# KiCad board AMC_FMC_Carrier-PcbDoc.kicad_pcb (continued)
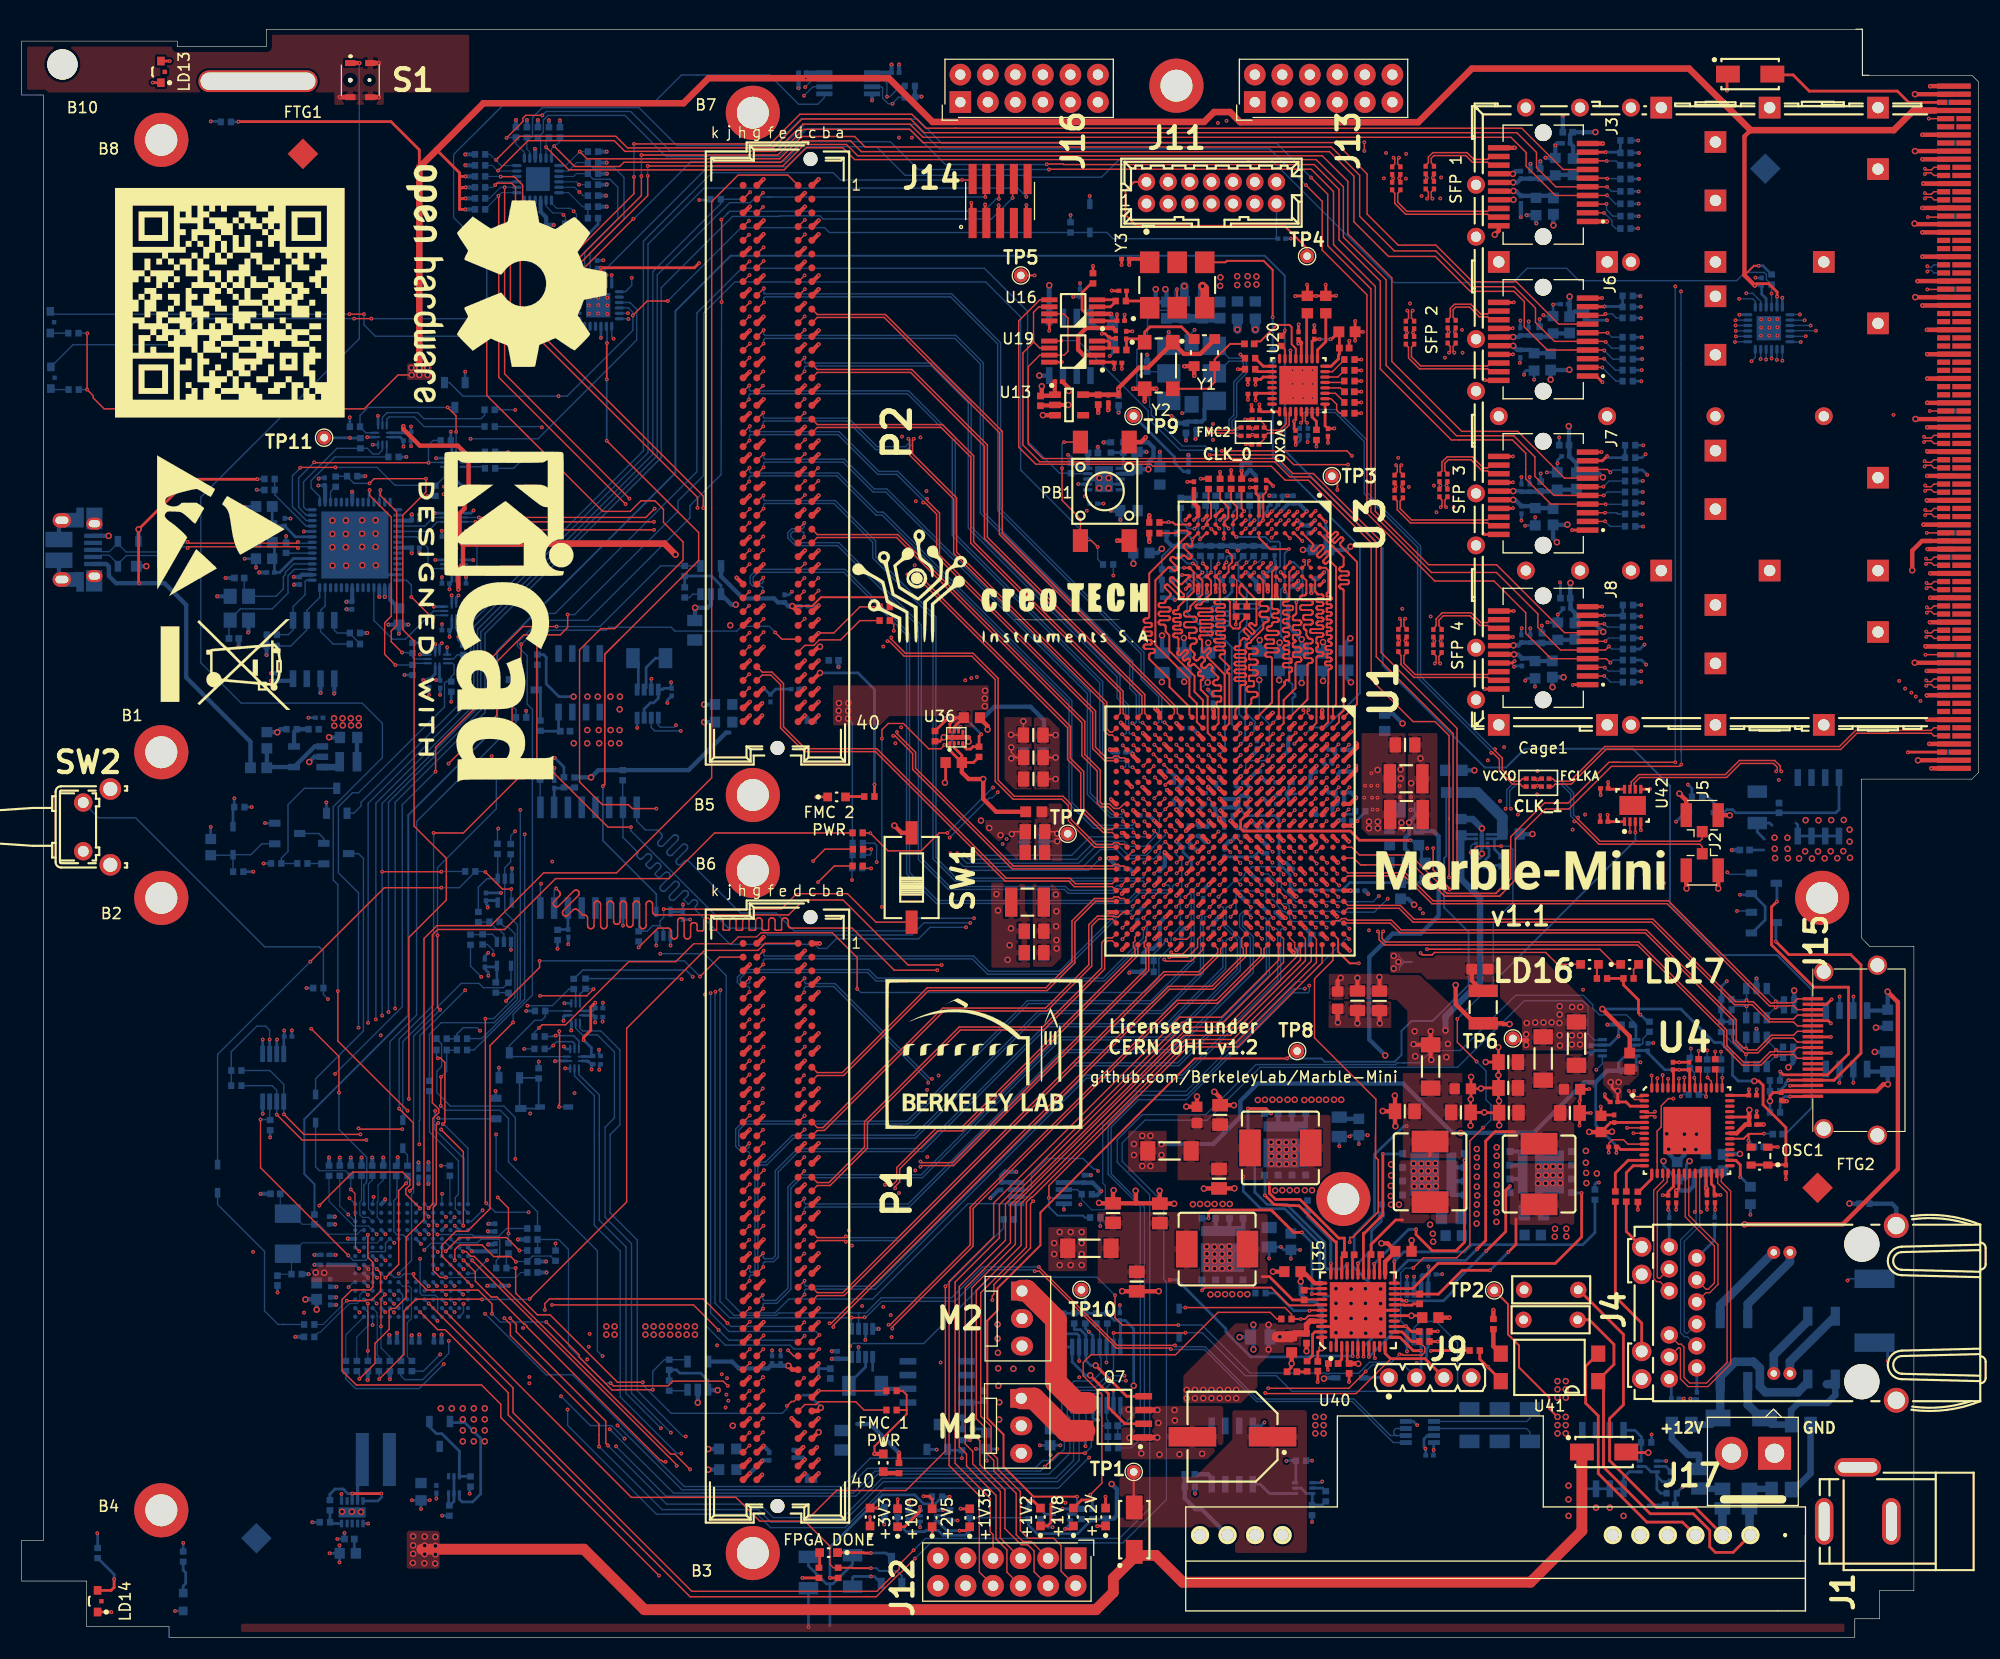
[diagram p0: board, top side]
## Routing (per net, layer and track width the routed paths; a pad name or vN(x,y) marks a point on that pad's centre or on a via; arc(x,y) is an arc through that point) (continued)
  Top w0.4: v1(175.72,91.53) 175.75,91.5 P3.70 ; v1(175.87,118.5) 175.88,118.5 P3.34 ; v2(153.67,69.15) 153.64,69.18 J2.2 ; v2(108.48,49.95) C347.2 107.5,49 v2(107.49,49.01) ; P3.49 178.35,107.25 v1(175.87,107.25) ; C152.2 102.84,40.08 ; C152.2 100.74,41.24 v2(100.79,41.29) ; C152.2 99.48,40.08 v2(99.44,40.12) ; 102.84,40.08 102.84,41.21 v2(102.82,41.24) ; 102.84,40.08 105.03,40.08 C346.2 ; v1(176.07,82.51) 176.09,82.5 P3.82 ; v1(32.97,142.23) 32.97,142.23 S1.4 ; J5.2 153.64,77.28 v2(153.01,77.91) ; v1(146.33,130.75) 146.32,130.75 J3.1 ; v1(175.84,120.74) 178.34,120.74 P3.31 ; C137.2 v2(118.59,26.43) ; v1(175.87,116.24) 178.34,116.24 P3.37 ; v1(174.98,125.23) 174.99,125.25 P3.25 ; P3.79 178.35,84.75 v1(175.87,84.75) ; v2(89.15,83.83) 89.15,84.15 88.43,84.87 ; v1(176.12,93.74) 178.34,93.74 P3.67 ; v2(111.94,41.47) 111.93,41.45 C194.2 109.13,41.45 v2(109.12,41.44) ; P3.52 175.85,105 v1(175.84,104.99) ; J2.2 156.59,69.15 v2(156.59,69.15) ; v2(125.63,48.6) 125.65,48.58 C156.2 ; C105.2 v2(117.22,25.29) ; v2(126.75,50.02) 126.76,50.01 C156.2 ; v1(176.25,80.25) 178.35,80.25 P3.85 ; v1(137.79,137.55) 137.79,137.55 J3.11 ; C144.2 v2(115.49,33.77) ; v1(176.15,96) 176.15,96 P3.64 ; P3.13 175.52,134.25 v1(175.51,134.25) ; v1(162.91,49.52) 162.5,49.52 C37.2 ; v1(175.87,114.01) 175.88,114 P3.40 ; U1.V1 105.03,85.35 v1(104.62,85.76) ; U1.B19 121.03,66.94 v1(121.41,66.56) ; v1(176.15,98.26) 178.34,98.26 P3.61 ; 128.93,75.98 C266.2 129.31,76.54 ; v2(135.97,129.53) 136.34,129.9 J3.20 ; P3.73 178.34,89.24 v1(175.84,89.24) ; C156.2 126.76,47.24 v2(126.8,47.21) ; v2(110.08,50.38) 110.62,49.85 C154.2 111.88,49.15 v2(111.89,49.14) ; P3.58 178.35,100.49 v1(175.92,100.49) ; S1.3 29.36,142.23 v1(29.36,142.23) ; v1(145.95,137.93) 145.93,137.95 J3.10 ; v2(128.29,36.66) 128.28,36.65 C361.2 ; v1(175.44,123) 175.44,123 P3.28 ; v1(131.77,29.53) 131.77,29.52 C127.2 ; v1(175.87,109.54) 175.91,109.5 P3.46 ; P3.22 175.44,127.5 v1(175.44,127.49) ; v1(101.1,101.26) 101.13,101.28 PB1.4 ; v1(175.84,86.98) 175.86,87 P3.76 ; v2(137.69,132.75) 137.69,132.75 J3.17 ; U1.E7 118.04,78.96 v1(118.44,79.36) ; P3.10 175.45,136.5 v1(175.44,136.51) ; J5.2 157.64,75.93 v2(157.66,75.91) ; v1(175.54,102.76) 175.55,102.75 P3.55 ; C346.2 106.36,40.05 v2(106.37,40.04) ; C346.2 105.05,41.21 v2(105.03,41.24) ; v2(104.95,31.97) 104.94,31.95 C160.2 101.58,31.95 v2(101.57,31.97) ; v2(80.54,74.97) 81.22,74.29 SW1.2 ; v2(85.11,83.12) 85.12,83.11 U36.9 87.39,83.11 87.4,83.1 v2(87.4,82.71) ; v1(176.15,143.24) 176.15,143.25 P3.1 ; v1(32.97,145.38) 32.97,145.38 S1.2 ; R26.1 v1(104.08,103.61) ; v1(175.44,129.76) 175.45,129.75 P3.19 ; v1(115.85,95.97) 115.79,96.03 U3.F9 ; v1(135.84,30.24) R281.2 ; P3.16 175.44,132 v1(175.44,131.99) ; v1(119.46,73.54) 119.46,73.39 U1.D13 ; PB1.3 103.32,110.38 103.74,110.79 v1(103.74,110.83) ; v2(132.36,60.24) 132.36,58.47 134.12,56.7 C2.2 136.65,56.7 136.73,56.63 v2(137.34,56.63) ; v1(175.87,111.75) P3.43 ; 160.14,47.36 v1(160.78,47.36) ; LD1.1 v1(78.71,16.94) ; P3.7 v1(175.44,138.75)
  Top w0.402: v1(108.23,116.5) 108.22,116.51 Y1.3 107.32,117.39 v1(107.31,117.39) ; Y2.2 102.59,115.3 v1(102.59,115.3) ; Y2.2 104.72,115.3 v1(104.72,115.3) ; Y2.2 103.65,114.14 v1(103.66,114.13) ; v1(100.28,113.32) 100.3,113.35 C91.2 ; C81.2 v1(99.36,113.07)
  Top w0.5: Q7.3 104.84,20.99 104.85,20.98 ; 102.29,18.45 Q7.1 104.84,18.45 104.85,18.44
  Top w0.802: v2(108.99,124.78) 109.19,124.57 109.19,122.78
  Bottom w0.127: 90.35,74.3 v2(90.35,74.08) ; 77.02,4.68 R243.1 76.81,4.68 ; 89.31,74.74 v2(89.31,74.74)
  Bottom w0.13: R284.2 76.64,72.2 R285.2 76.64,69.95 v1(76.63,69.94)
  Bottom w0.15: v2(128.05,75.24) 128.04,75.23 128.04,75.09
  Bottom w0.178: C375.2 162.08,45.3 v1(162.1,45.28)
  Bottom w0.254: U2.F3 32.39,33.61 v1(32.79,33.21) ; v1(33.58,34.81) 33.19,35.2 U2.H4 ; U2.H3 32.39,35.19 v1(32.74,34.84) ; U2.P4 33.21,40.01 ; U2.L13 40.39,37.6 ; v1(37.57,37.22) 37.19,37.6 U2.L9 ; v1(36.78,37.22) 36.4,37.61 U2.L8 ; v1(39.17,30.82) 38.79,31.2 U2.C11 ; U2.D13 40.4,32.01 v1(40.74,31.66) ; U2.G13 40.39,34.4 v1(40.79,34) ; v1(38.38,29.22) 38,29.61 U2.A10 ; 39.98,38.01 40.36,37.63 ; v1(33.55,30.04) 33.19,30.4 U2.B4 ; v1(38.79,91.81) 38.57,91.59 U24.2 ; 38.62,87.71 v1(38.62,87.03) ; C178.2 v1(37.6,87.03) ; R84.1 149.62,103.73 v1(149.63,103.72) ; v1(150.6,54.88) 150.19,54.88 ; U9.3 50.25,54.33 50.04,54.55 v1(50.04,54.56) ; v1(68.48,87.67) 69.07,87.08 C11.2 69.6,87.57 C8.2 ; 118.69,110.98 v1(118.69,110.38) ; R181.2 119.1,10.66 v1(119.1,10.66) ; v1(56.82,83.98) 56.81,83.99 U32.8 ; v1(114.58,98.36) 115.06,98.36 115.72,99.02 115.72,99.41 115.65,99.49 C366.1 ; v1(29.51,13.25) 29.52,13.24 U18.6 ; v1(21.69,105.98) 21.72,105.96 R116.2 ; U25.1 39.7,96.2 v1(39.69,96.21) ; v1(22.25,48.35) 22.24,48.36 U28.4 ; U12.3 167.79,51.22 v1(167.78,51.21) ; v1(35.94,111.81) 35.93,111.8 C186.2 ; v1(90.04,17.4) 90.04,17.4 C344.2 ; v1(162.51,123.71) 162.51,123.7 U34.24 ; v1(89.08,16.32) 89.05,16.34 C344.2 ; v1(153.3,13.88) 152.77,13.35 R104.2 152.62,13.16 C128.2 ; C98.2 138.42,93.14 v1(138.45,93.18) ; R69.2 149.39,123.88 v1(149.4,123.86) ; R170.2 154.16,78.38 v1(153.8,78.75) ; C380.2 129.6,17.41 v1(129.56,17.44) 129.44,17.56 129.44,18.33 129.75,18.64 U43.3 ; v1(49.18,80.28) 49.16,80.26 C38.2 ; C159.2 v1(117.14,34.96) ; C159.2 116.5,35.79 v1(116.23,36.05) 116.22,36.04 C151.2 v1(115.14,34.99) ; C159.2 118,35.79 v1(118.01,35.78) ; U39.24 54.46,125.79 v1(54.46,125.79) ; 73.56,24.87 v1(73.56,25.31) ; 73.56,24.87 73.62,24.81 C61.2 ; 73.56,24.87 v1(73.56,24.04) ; v1(40.12,100.58) 40.1,100.57 U15.2 ; v1(95.87,17.73) 95.87,17.73 C343.2 ; v1(36.02,12.66) 36.03,12.65 C132.2 ; C89.2 v1(138.43,103.14) ; U12.6 167.79,59.17 v1(167.8,59.18) ; v1(95.83,10.85) 95.81,10.87 95.14,10.87 ; C77.2 138.33,117.71 138.31,117.69 v1(138.28,117.69) ; v1(138.78,88.35) 138.78,88.41 138.93,88.56 C99.1 139.69,87.81 v1(139.67,87.79) ; C88.2 v1(138.43,107.15) ; Q17.2 44.06,52.6 v1(44.04,52.62) ; C94.2 142.26,94.93 v1(141.78,94.45) C96.1 140.84,93.71 v1(140.82,93.74) ; U11.1 59.88,63.9 v1(59.89,63.89) ; v1(140.31,93.43) 140.32,93.42 C97.2 ; R77.2 149.67,110.08 v1(149.68,110.07) ; U28.5 22.24,55.2 v1(22.25,55.21) ; C70.2 141.39,123.11 v1(141.35,123.08) C72.1 140.55,122.01 v1(140.45,122.1) ; C39.2 50.46,64.02 v1(50.44,64.01) ; C65.2 70.05,26.5 v1(70.03,26.53) ; v1(98.58,133.11) 98.59,133.1 D15.2 ; v1(71.09,96.56) 70.81,96.27 C10.2 ; C129.2 v1(28.42,7.76) ; C129.2 29.35,8.48 v1(29.34,8.5) ; C129.2 29.35,6.93 v1(29.34,6.92) ; R188.2 87.53,18.21 v1(87.53,18.21) ; C76.2 v1(139.09,121.53) ; R212.2 119.1,16.32 v1(119.1,16.32) ; 53.47,53.68 53.29,53.86 v1(53.29,54.27) ; v1(38.95,105.56) 38.96,105.57 C182.2 ; v1(77.24,26.81) 77.25,26.8 U17.3 ; v1(38.8,93.56) 38.79,93.55 C180.2 ; v1(23.61,31.85) C93.2 ; C360.2 v1(17.45,74.84) ; v1(144.36,53.99) 144.37,53.99 145.01,53.99 145.21,54.19 145.87,54.19 ; R171.2 38.82,11.23 v1(38.81,11.24) ; v1(20.57,99.61) C167.2 v1(21.63,98.79) ; v1(158.55,122.14) 158.55,122.14 U34.18 ; v1(124.23,46.37) 124.22,46.38 C161.2 ; C74.2 v1(138.33,121.6) ; v1(29.79,9.64) 29.8,9.63 C130.2 v1(29.13,9.08) ; v1(28.12,77.1) 28.13,77.09 Q24.2 ; v1(99.36,20.07) 99.06,20.07 98.87,20.27 U27.13 ; v1(152.7,75.32) 152.7,75.32 153.54,76.16 D9.2 ; 41.01,93 41.01,93.58 v1(41.02,93.59) ; v1(85.05,11.76) 85.03,11.74 84.5,11.74 ; v1(84.45,17.34) 84.44,17.35 Q8.2 ; U25.2 40.1,96 v1(40.32,96.21) ; v1(53.62,56.86) 53.64,56.88 C212.2 ; v1(94.97,16.84) 94.93,16.88 C343.2 ; R201.2 46.57,85.55 v1(46.56,85.56) ; v1(40.39,104.85) 40.11,104.58 40.11,104.13 U38.2 ; C95.2 142.03,97.38 v1(141.99,97.42) ; 41.35,13.92 v1(41.35,13.27) ; C192.1 131.09,33.51 v1(131.11,33.54) ; U12.2 v1(169.06,51.22) ; v1(82.92,10.16) 82.92,10.16 82.92,10.74 ; v1(88.07,17.41) 88.09,17.4 C344.2 ; U38.3 41.46,103.82 v1(41.71,104.06) ; R108.2 150.44,18.03 v1(150.44,18.73) ; U32.3 58.11,88.5 v1(58.13,88.52) ; U7.3 45.24,70.98 v1(45.26,71.01) ; v1(31.98,10.5) 31.97,10.51 U18.1 ; U38.10 38.13,103.82 v1(38.12,103.81) ; v1(100.43,118.33) 100.68,118.58 C106.2 ; v1(149.48,95.34) 149.47,95.33 R86.2 ; C343.2 93.98,17.73 v1(93.98,17.73) ; v1(53.31,52.41) 53.31,52.84 53.42,52.95 ; C213.2 53.64,58.6 v1(53.64,58.61) ; U31.11 100.36,106.49 U31.4 ; U9.1 49.25,53.23 v1(49.22,53.2) ; U10.3 45.16,63.49 v1(45.16,63.49) ; 118.03,110.98 118.03,110.56 v1(117.59,110.12) ; v1(38.77,102.18) 38.79,102.17 C184.2 ; C101.2 137.83,89.71 v1(137.74,89.62) ; v1(139.6,116.14) C75.1 138.84,116.98 138.67,116.81 v1(138.67,116.59) ; U12.7 169.06,59.17 v1(169.07,59.18) ; v1(53.69,127.16) 53.67,127.14 C342.2 ; v1(41.68,99.49) 41.67,99.5 U15.3 ; C100.2 v1(139.24,93.18) ; v1(128.52,33.31) 128.51,33.3 U29.6 ; v1(43.74,50.46) 43.77,50.43 Q5.2 ; C132.2 v1(36.85,11.85) ; C132.2 37.65,12.65 v1(37.67,12.66) ; v1(117.14,129.17) 117.13,129.16 C193.2 ; C190.2 101.36,30.67 v1(101.37,30.68) ; v1(160.02,125.56) 160.05,125.53 C215.2 ; v1(115.39,103.97) 115.94,104.53 C372.2 116.35,105.02 C367.1 ; v1(138.76,102.65) 138.78,102.68 C87.1 v1(139.7,103.44) ; v1(151.97,39.48) 152.07,39.38 C58.2 ; v1(149.21,138.23) 149.21,138.23 R33.2 ; Q18.2 22.47,75.18 v1(22.45,75.2) ; v1(128.8,19.6) 128.46,19.94 U43.8 ; v1(161.52,118.1) 161.51,118.1 U34.9 ; v1(43.06,63.21) 42.72,62.88 42.72,62.57 ; C9.2 73.48,95.21 v1(73.56,95.29) ; U37.5 134.25,72.56 134.42,72.39 134.76,72.39 v2(134.78,72.36) 134.78,72.14 134.61,71.96 134.38,71.96 134.2,71.78 R196.2 ; v1(24.94,56.04) 24.94,56.04 C191.1 ; v1(53.97,125.79) 53.96,125.78 U39.23 ; C356.2 41.01,97.9 v1(41.02,97.9) ; U8.3 50.1,58.54 v1(50.09,58.56) ; U33.3 32.9,112.78 v1(32.88,112.8) ; Q6.2 40.93,116.86 v1(40.94,116.88) ; C166.2 v1(26.47,84.92) ; v1(58.57,63.89) 58.58,63.9 U11.3 ; v1(41.73,108.9) 41.73,108.9 U26.3 ; U33.1 32.1,110.84 32.08,110.82 v1(31.89,110.82) ; U23.10 26.05,102.13 v1(26.05,102.12) ; v1(159.56,39.03) R66.1 ; v1(35.94,109.99) 35.93,110 C183.2 ; C73.2 v1(140.11,121.73) ; 172.24,27.06 v1(172.24,25.54) ; 98.88,21.34 98.88,20.55 ; C71.2 144.51,121.63 146.32,121.63 v1(146.33,121.63) ; U24.3 39.27,91.43 v1(39.27,91.43) ; C85.2 v1(140.21,107.48) ; U25.3 41.6,95.18 v1(41.6,95.19) ; C110.2 97.06,123.79 v1(97.05,123.79) ; U27.10 100.77,22.78 v1(100.76,22.8) ; U39.9 53.46,120 v1(53.47,120) ; C161.2 122.69,46.38 v1(122.58,46.27) 122.56,46.24 C153.2 v1(121.61,45.35) ; C161.2 v1(123.42,45.55) ; Q19.2 78.7,5.63 v1(78.38,5.63) 76.81,5.63 76.69,5.51 R243.1 ; C168.2 v1(20.62,102.65) ; C59.2 156.26,39.42 v1(156.32,39.48) ; C175.2 24.8,103.33 v1(24.82,103.31) ; v1(154.01,22.05) 154.51,22.05 C60.2 154.62,21.91 ; 45.99,88.43 45.98,88.44 Q9.2 ; v1(77.88,27.47) 77.9,27.49 U17.7 ; v1(41.27,105.61) 41.27,105.61 C185.2 ; R120.1 v1(24.41,101.7) ; C25.2 99.85,104.69 v1(99.86,104.7) ; v1(27.41,106.99) 27.49,107.07 C164.2 ; C66.2 v1(69.27,26.5) ; v1(96.07,11.87) 96.08,11.87 96.73,11.87 ; v1(149.53,117.03) 149.52,117.02 R185.1 ; R110.2 v1(26.82,10.63) ; v1(96.2,39.51) 96.19,39.52 U47.4 ; U29.4 v1(127.86,26.4) ; C355.2 38.79,97.9 v1(38.79,97.9) ; R272.1 v1(21.23,76.67) ; R194.1 145.21,41.85 145.36,42 v1(145.57,42) ; v1(153.41,22.05) C352.2 ; 42.82,68.77 42.85,68.74 v1(44.25,68.74) ; U23.57 33.51,98.13 U23.41 ; 59.61,86.31 v1(59.6,86.3) 59.6,86.54 C351.2 ; v1(149.48,89.22) 149.47,89.23 R187.1 ; U29.5 v1(127.86,33.31) ; R105.1 149.24,131.24 v1(149.25,131.23) ; v1(40.99,102.17) 41.01,102.15 C187.2 ; U30.10 v1(55.5,65.72) ; C78.2 61.69,66.29 v1(61.7,66.28) ; C86.2 v1(139.19,107.15) ; C133.2 v1(38.28,12.81) ; v1(141.91,110.81) 141.92,110.8 C83.2 ; C82.2 141.76,108.68 v1(141.76,108.42) 141.73,108.39 C84.1 v1(140.77,107.58)
  Bottom w0.3: 134.77,74.71 U37.9 134.77,72.35
  Bottom w0.381: C202.2 v1(37.54,43.88) ; v1(29.03,30.7) 29.03,30.7 C203.2 ; C197.2 38.05,27.92 v1(38.05,27.93) ; R144.2 v1(33.37,44.31) ; C199.2 v1(29.06,32.37) ; v1(35.99,27.9) 36,27.9 C201.2 ; C208.2 v1(36.63,43.85) ; C204.2 43.08,38.18 v1(43.08,38.19) ; C198.2 v1(44.98,32.47) ; R132.2 v1(26.49,33.54) ; C92.2 v1(22.05,40.96) ; C209.2 v1(27.02,35.32) ; 34.71,43.59 v1(34.71,44.34) ; C205.2 28.9,38.84 v1(28.9,38.85) ; C206.2 33.94,27.92 v1(33.93,27.93) ; R137.2 v1(25.25,27.75) ; R142.2 v1(48.41,34.71) ; C207.2 v1(27.02,34.4) ; R147.2 v1(31.37,44.31) ; R146.2 v1(32.36,44.31) ; U2.P4 33.55,40.37 v1(33.55,40.45) ; C271.2 116.03,78.96 v1(116.48,79.41) ; v1(110.51,79.44) 110.63,79.44 110.73,79.34 110.73,79.07 110.9,78.9 C273.2 ; C260.2 110.01,66 110.44,66.44 ; v1(108.55,75.41) 108.55,74.98 C216.2 ; C259.2 108.06,83.96 v1(108.55,83.48) ; 43.59,36.33 43.54,36.28 v1(43.05,36.28) ; v1(104.55,75.41) 104.05,75.91 C250.2 ; v1(109.4,96.53) 109.4,95.78 C21.2 ; C269.2 106.33,79.16 v1(106.58,79.41) 106.02,79.97 C251.2 ; v1(123.18,77.53) 122.69,78.02 C238.2 121.96,78.02 ; v1(33.01,96.08) 33.01,96.08 U23.45 ; C336.2 114.02,81.9 v1(113.56,81.44) ; C40.1 v1(48.41,128.94) ; C174.2 21.93,98.34 v1(21.92,98.35) ; R127.2 v1(31.72,107.23) ; C277.2 109.9,76.82 110.18,76.54 110.18,76.02 v1(110.54,75.65) 110.73,75.65 111,75.39 C231.2 ; C267.2 106.28,77.11 106.38,77.21 106.38,77.31 v1(106.55,77.48) ; v1(119.03,96.43) 119.24,96.63 119.24,96.66 119.25,96.67 C14.2 ; v1(119.4,102.35) 119.03,101.97 C19.2 ; C381.2 80.98,145.24 v1(80.99,145.25) ; C388.2 90.17,41.32 v1(89.41,40.56) ; C337.2 119.05,64.93 118.77,65.21 118.77,65.21 v1(118.47,65.51) ; v1(18.05,96.14) 18.05,96.13 Y4.4 ; U46.4 78.49,141.94 v1(78.5,141.93) ; 122.81,74.97 v1(122.83,74.94) ; v1(36.69,100.13) 36.7,100.13 C177.2 ; v1(108.55,72.55) 108.14,72.96 C247.2 107.91,73.2 v1(107.59,73.51) 107.85,73.76 ; v1(113.44,79.41) 113.99,79.97 C338.2 ; v1(109.56,69.51) 109.04,68.99 109.04,68.94 ; Y6.3 105.88,120.54 v1(105.88,120.55) ; C4.2 118.03,78.93 ; C218.2 114.15,74.76 v1(113.5,75.41) 112.92,74.84 C220.2 ; C163.2 23.03,89.03 v1(23.02,89.03) ; C384.2 108.35,110.68 v1(108.36,110.67) ; v1(28.84,87.16) 28.85,87.17 U21.5 ; C170.2 29.99,94.94 v1(29.98,94.94) ; v1(114.48,73.56) 114.25,73.78 C223.2 ; C232.2 122.88,79.95 123.16,80.23 v1(123.16,80.48) ; v1(120.47,76.49) 120.32,76.34 120.32,76.16 120.19,76.03 C221.2 ; C245.2 102.41,81.72 v1(102.54,81.6) ; v1(107.52,65.48) 107.33,65.48 107.03,65.19 C263.2 ; C228.2 120.17,80.75 v1(120.48,80.44) ; R43.2 v1(46.38,128.79) ; C165.2 v1(18.82,97.83) ; v1(103.59,67.54) 103,66.94 C258.2 ; C262.2 102.27,70.97 102.57,70.67 v1(102.57,70.5) ; C283.2 121.46,56.81 v2(121.49,56.78) ; v1(47.37,137.45) 47.4,137.42 U5.9 ; v1(25.13,97.21) 25.15,97.22 C169.2 ; v1(116.48,77.38) 116.05,76.95 C279.2 ; v1(36.69,103.67) 36.7,103.66 C176.2 ; U23.21 30.51,105.77 v1(30.49,105.79) ; C15.2 117.17,97.75 v1(117.78,98.36) ; v1(20.05,91.43) 20.03,91.45 C171.2 ; C173.2 35.69,93.52 v1(35.69,93.52) ; C173.2 v1(33.85,93.52) ; C173.2 v1(34.82,92.68) ; C234.2 121.94,81.98 ; v1(112.55,78.4) 112.3,78.4 112.07,78.63 C264.2 ; v1(116.5,71.52) 116.7,71.52 117.28,70.94 C335.2 ; C261.2 115.05,66.94 114.06,67.93 C246.2 ; Y4.2 20.94,92.84 v1(20.9,92.8) ; C275.2 109.95,78.12 v1(109.52,78.55) ; R44.2 v1(47.4,128.79) ; R42.2 v1(54,132.12) ; 107.47,111.22 v1(107.47,110.53)
  Bottom w0.4: v2(11.51,98.92) 11.5,98.91 D13.1 ; J10.5 8.02,101.72 v2(8.03,101.71) ; J10.6 3.44,102.88 J10.6 ; J10.6 3.44,97.96 J10.6 ; 62.15,93.96 v2(62.15,95.08) 63.3,95.08 63.6,95.37 U44.2 ; 113.38,108.46 112.78,108.46 112.6,108.28 112.6,107.73 112.59,107.72 ; C256.2 111.04,73.1 111.43,73.49 v1(111.61,73.49) 112.09,73.98 C226.2 ; v1(175.44,127.49) 175.44,127.5 P3.22 ; P3.37 175.87,116.25 v1(175.87,116.24) ; D10.2 v1(160.12,60.85) ; C387.2 v1(98.69,42.68) ; C257.2 105.51,71.28 v1(105.51,72.5) ; C22.2 103.81,109.47 v1(103.82,109.46) ; v1(175.51,134.25) 178.34,134.25 P3.13 ; C29.2 142.25,140.47 v1(142.26,140.49) ; U31.8 U31.11 ; v1(175.87,109.54) 178.31,109.54 P3.46 ; C332.2 109.95,87.06 v1(109.49,87.52) ; v1(68.48,17.69) 69,17.17 C67.2 ; v1(176.12,93.74) 176.13,93.75 P3.67 ; P3.55 178.34,102.76 v1(175.54,102.76) ; U22.2 27.02,81.32 v2(26.54,80.84) ; v1(175.87,118.5) 175.88,118.5 P3.34 ; v1(79.09,28.49) 79.09,28.49 U17.8 ; C280.2 120.14,91.88 v2(120.11,91.91) ; R30.2 v1(99.86,110.35) ; v2(107.27,92.29) 107.29,92.28 C270.2 ; R198.2 108.29,13.28 v1(108.3,13.27) ; v1(73.56,15.15) 73.21,14.8 C63.2 ; v1(124.28,68.64) 123.98,68.95 C333.2 ; D11.2 v1(160.12,56.2) ; v1(100.52,104.05) C26.2 v1(101.41,103.19) ; P3.28 175.44,123 v1(175.44,123) ; v1(140.64,136.64) 140.66,136.61 C30.1 v1(141.55,137.78) 141.74,137.97 C28.2 ; v1(72.29,16.42) 72.12,16.59 C64.2 ; v1(175.84,120.74) 175.85,120.75 P3.31 ; P3.1 176.15,143.25 v1(176.15,143.24) ; P3.64 178.35,96 v1(176.15,96) ; C248.2 114.93,73.11 v1(114.48,73.56) ; 119.02,64.93 118.92,64.83 C339.2 ; 107.85,73.76 107.85,73.97 C227.2 ; C31.2 140.16,136.28 v1(140.18,136.31) ; v1(157.85,72.7) 157.85,72.7 C131.2 ; v1(101.24,113.09) C107.2 ; v2(113.69,26.58) v2(113.69,28.87) ; P3.49 175.87,107.25 v1(175.87,107.25) ; C234.2 122.25,81.98 122.27,81.96 122.8,81.96 123.17,82.33 v1(123.17,82.58) ; v1(175.84,89.24) 175.85,89.25 P3.73 ; v2(109.51,91.84) 109.49,91.84 109.47,91.83 C268.2 ; C272.2 114.25,92.07 v2(114.27,92.09) ; C4.2 118.01,78.93 v1(118.44,79.36) ; v1(115.52,77.48) 115.92,77.89 C217.2 ; v1(114.58,98.36) 114.64,98.3 C17.2 ; C368.1 107.7,109.19 v1(107.69,109.2) ; P3.76 178.33,86.98 v1(175.84,86.98) ; v2(63.37,17.39) 63.38,17.4 C68.1 ; P3.19 175.45,129.75 v1(175.44,129.76) ; C371.2 116.89,93.42 v2(118.14,92.16) 118.13,92.15 C286.2 ; v2(153.47,45.05) 153.47,44.55 152.81,43.89 152.02,44.68 v2(152.02,45.07) ; C282.2 116.08,91.83 v2(116.11,91.86) ; R119.2 23.88,83.86 v2(23.6,83.58) 23.58,83.59 C162.2 ; 113.44,70.5 113.46,70.5 114.01,69.95 C244.2 ; C104.2 171.05,54.05 v2(171.04,54.06) ; 138.51,74.16 139.43,74.16 ; C35.2 v1(138.38,131.15) ; v1(175.87,84.75) 175.87,84.75 P3.79 ; 122.75,75.48 122.75,75.02 v1(122.83,74.94) ; C373.2 102.6,99.16 v2(102.62,99.15) ; v2(122.66,100.72) 122.35,100.42 C364.2 120.37,100.74 C370.2 ; C229.2 106.64,75.37 v1(106.64,75.41) ; v1(138.91,131.33) C33.1 139.78,130.59 v1(139.8,130.57) ; P3.40 175.88,114 v1(175.87,114.01) ; C382.2 71.71,143.07 v1(71.7,143.07) ; v1(99.34,109.93) 99.33,109.92 C24.2 ; v2(128.52,67.65) 127.98,68.2 L28.1 ; C32.2 v1(139.27,136.08) ; v1(116.48,81.44) 116.9,81.86 116.9,82.98 C334.2 ; C278.2 105.26,92.51 v2(105.25,92.52) ; v2(171.15,56.3) 171.16,56.31 172.24,56.31 ; C284.2 122.22,91.85 v2(122.63,92.26) ; P3.82 178.33,82.51 v1(176.07,82.51) ; v1(174.98,125.23) 174.99,125.25 P3.25 ; P3.58 175.92,100.5 v1(175.92,100.49) ; P3.43 v1(175.87,111.75) ; v2(127.46,84.39) 126.55,85.29 C225.2 ; v1(128.19,76.42) C274.2 129.04,76.24 128.04,75.24 128.04,74.16 127.69,73.81 127.69,72.83 127.95,72.57 127.95,71.6 ; C7.2 73.2,84.77 v1(73.56,85.13) ; P3.52 178.34,104.99 v1(175.84,104.99) ; C219.2 120.14,80.09 v1(120.48,80.44) ; C238.2 122.07,77.89 C230.2 ; C27.2 v1(105.05,109.47) ; C34.2 137.9,135.4 v2(137.64,135.14) ; C12.1 v2(62.99,84.52) ; U45.2 v2(62.41,21.67) ; P3.16 175.44,132 v1(175.44,131.99) ; C47.1 155.04,45.05 v2(154.53,45.05) ; v2(168.71,40.07) 168.73,40.04 169.61,40.04 ; v1(74.78,26.43) 74.78,26.42 C136.2 ; P3.7 v1(175.44,138.75) ; v2(112.42,27.72) C141.2 ; v1(102.23,61.37) 102.32,61.45 R222.2 ; P3.10 175.45,136.5 v1(175.44,136.51) ; v2(28.37,83.12) 28.4,83.1 C172.2 ; v1(110.54,75.65) 110.85,75.65 C3.2 ; v1(176.25,80.25) 176.25,80.25 P3.85 ; 117.4,105.42 116.33,105.42 116.31,105.4 116.65,105.4 116.67,105.42 ; C146.2 v2(134.09,80.06) ; C13.1 v2(62.99,86.14) ; v1(75.4,89.6) 75.39,89.61 C5.2 ; C369.1 106.24,96 v1(106.45,95.8) ; v2(63.37,15.48) 63.38,15.49 64.38,15.49 ; v1(175.72,91.53) 178.32,91.53 P3.70 ; P3.61 176.16,98.25 v1(176.15,98.26)
  Bottom w0.402: U14.4 93.91,116.51
  Bottom w0.454: U14.5 v2(94.84,124.85)
  Bottom w0.6: C139.2 133.92,75.57 v2(134.78,74.7)
  Bottom w0.802: v2(108.99,124.78) 108.97,124.75 C113.2 ; C111.2 v2(107.31,124.78) ; C119.2 v2(113.87,120.76) ; C118.2 v2(112.22,120.76)
  vias: v1(39.98,38.01) v1(52.35,123.74) v1(52.35,123) v1(52.35,122.24) v1(53.21,123.71) v1(53.21,123.02) v1(53.21,122.26) v1(54.06,123.71) v1(54.06,123) v1(54.06,122.21) v1(76.35,37.58) v1(76.63,36.18) v1(77.57,30.59) v1(79.53,91.5) v1(79.53,30.52) v1(79.68,41.8) v1(80.21,29.76) v1(80.29,27.72) v1(80.64,82.56) v1(80.97,41.03) v1(81.25,110.88) v1(81.18,84.04) v1(81.76,98.16) v1(82.42,99) v1(82.52,104.91) v1(82.47,43.12) v1(82.96,110.81) v1(83.51,105.85) v1(83.57,50.56) v1(83.59,44.36) v1(84.63,51.88) v1(105.43,82.51) v1(109.96,112.05) v1(109.96,110.58) v1(112.97,110.2) v1(116.86,105.42) v1(117.31,117.02) v1(117.3,115.74) v1(117.35,114.44) v1(118.22,117.02) v1(118.25,115.74) v1(118.27,114.44) v1(119.14,117.02) v1(119.13,114.44) v1(119.17,115.74) v1(124.36,65.29) v1(125.73,134.73) v1(125.93,137.07) v1(127.05,108.93) v1(127.43,94.98) v1(127.76,134.71) v1(127.79,136.99) v1(128.04,106.24) v1(128.14,123.18) v1(128.24,77.6) v1(129.21,133.11) v1(130.05,94.27) v1(130.35,106.36) v1(130.58,103.9) v1(130.94,132.88) v1(131.01,134.81) v1(131.37,118.17) v1(132.18,104.38) v1(132.94,120.74) v1(132.99,118.63) v1(135.33,80.99) v1(136.45,77.23) v1(136.83,82.21) v1(138.1,75.98) v1(139.9,80) v1(139.88,77.84) v1(143.15,74.59) v1(144.3,75.98) v1(160.55,121.7) v1(160.55,120.94) v1(160.53,120.21) v1(161.31,121.7) v1(161.31,120.94) v1(161.29,120.21) v1(162.05,121.73) v1(162.05,120.97) v1(162.05,120.21) v1(162.18,79.18) v2(28.68,103.14) v2(28.68,101.89) v2(28.68,100.67) v2(28.7,98.97) v2(29.56,11.6) v2(29.92,103.14) v2(29.92,101.89) v2(29.92,100.67) v2(29.95,98.97) v2(30.48,11.6) v2(31.32,11.58) v2(31.42,103.16) v2(31.42,101.92) v2(31.42,100.7) v2(31.44,99) v2(32.66,103.16) v2(32.66,101.92) v2(32.66,100.7) v2(32.69,99) v2(46.11,88.46) v2(88.54,75.42) v2(89.97,68.63) v2(90.12,67.12) v2(91.01,62.57) v2(91.19,63.92) v2(91.31,65.47) v2(93.93,116.52) v2(99.45,106.13) v2(99.47,107.06) v2(100.33,107.06) v2(100.33,106.12) v2(102.16,21.04) v2(102.25,18.43) v2(103.34,16.98) v2(104.83,20.99) v2(104.81,18.45) v2(104.91,19.8) v2(105.02,16.88) v2(106.41,20.99) v2(106.44,20.03) v2(106.87,16.9) v2(108.95,16.95) v2(109.73,31.66) v2(110.39,31.69) v2(111.07,31.69) v2(111.73,31.69) v2(112.47,31.69) v2(113.13,31.69) v2(115.7,41.26) v2(116.36,41.29) v2(117.04,41.29) v2(117.7,41.29) v2(118.44,41.29) v2(119.1,41.29) v2(121.31,32.19) v2(121.31,30.85) v2(121.31,29.48) v2(121.31,28.13) v2(122.71,32.17) v2(122.71,30.82) v2(122.71,29.45) v2(122.71,28.1) v2(124.03,32.19) v2(124.03,30.85) v2(124.05,29.43) v2(124.05,28.08) v2(125.42,32.17) v2(125.42,30.82) v2(125.45,29.4) v2(125.45,28.05) v2(126.39,43.67) v2(126.39,42.66) v2(126.36,41.69) v2(126.36,40.75) v2(126.39,39.97) v2(127.13,39.97) v2(128.24,78.88) v2(129.11,81.17) v2(130,38.11) v2(130.25,37.27) v2(130.28,36.54) v2(133.76,49.69) v2(133.73,47.26) v2(133.78,51.75) v2(136.37,47.28) v2(139.45,74.18) v2(141.53,37.73) v2(141.5,36.99) v2(142.57,37.73) v2(142.57,37.02) v2(144.37,44.92) v2(144.37,43.83) v2(144.4,42.89) v2(144.42,41.95) v2(145.39,42.84) v2(151.84,46.49) v2(153.47,46.47) v2(154.58,46.47)
